# Altium PCB 2-quilter-output.pcbdoc (part 12 of 17)
Units mil, origin at the board's own origin, x right, y up, seen from the top; angles counter-clockwise.
Board outline 2728 x 2217 mil, 8 copper layers (L1_TOP, L2_GND, L3_INNER1, L4_GND, L5_PWR, L6_PWR, L7_GND, L8_BOT), stack 48.64 mil thick; 230 components, 327 nets, 1592 pads, 995 vias.
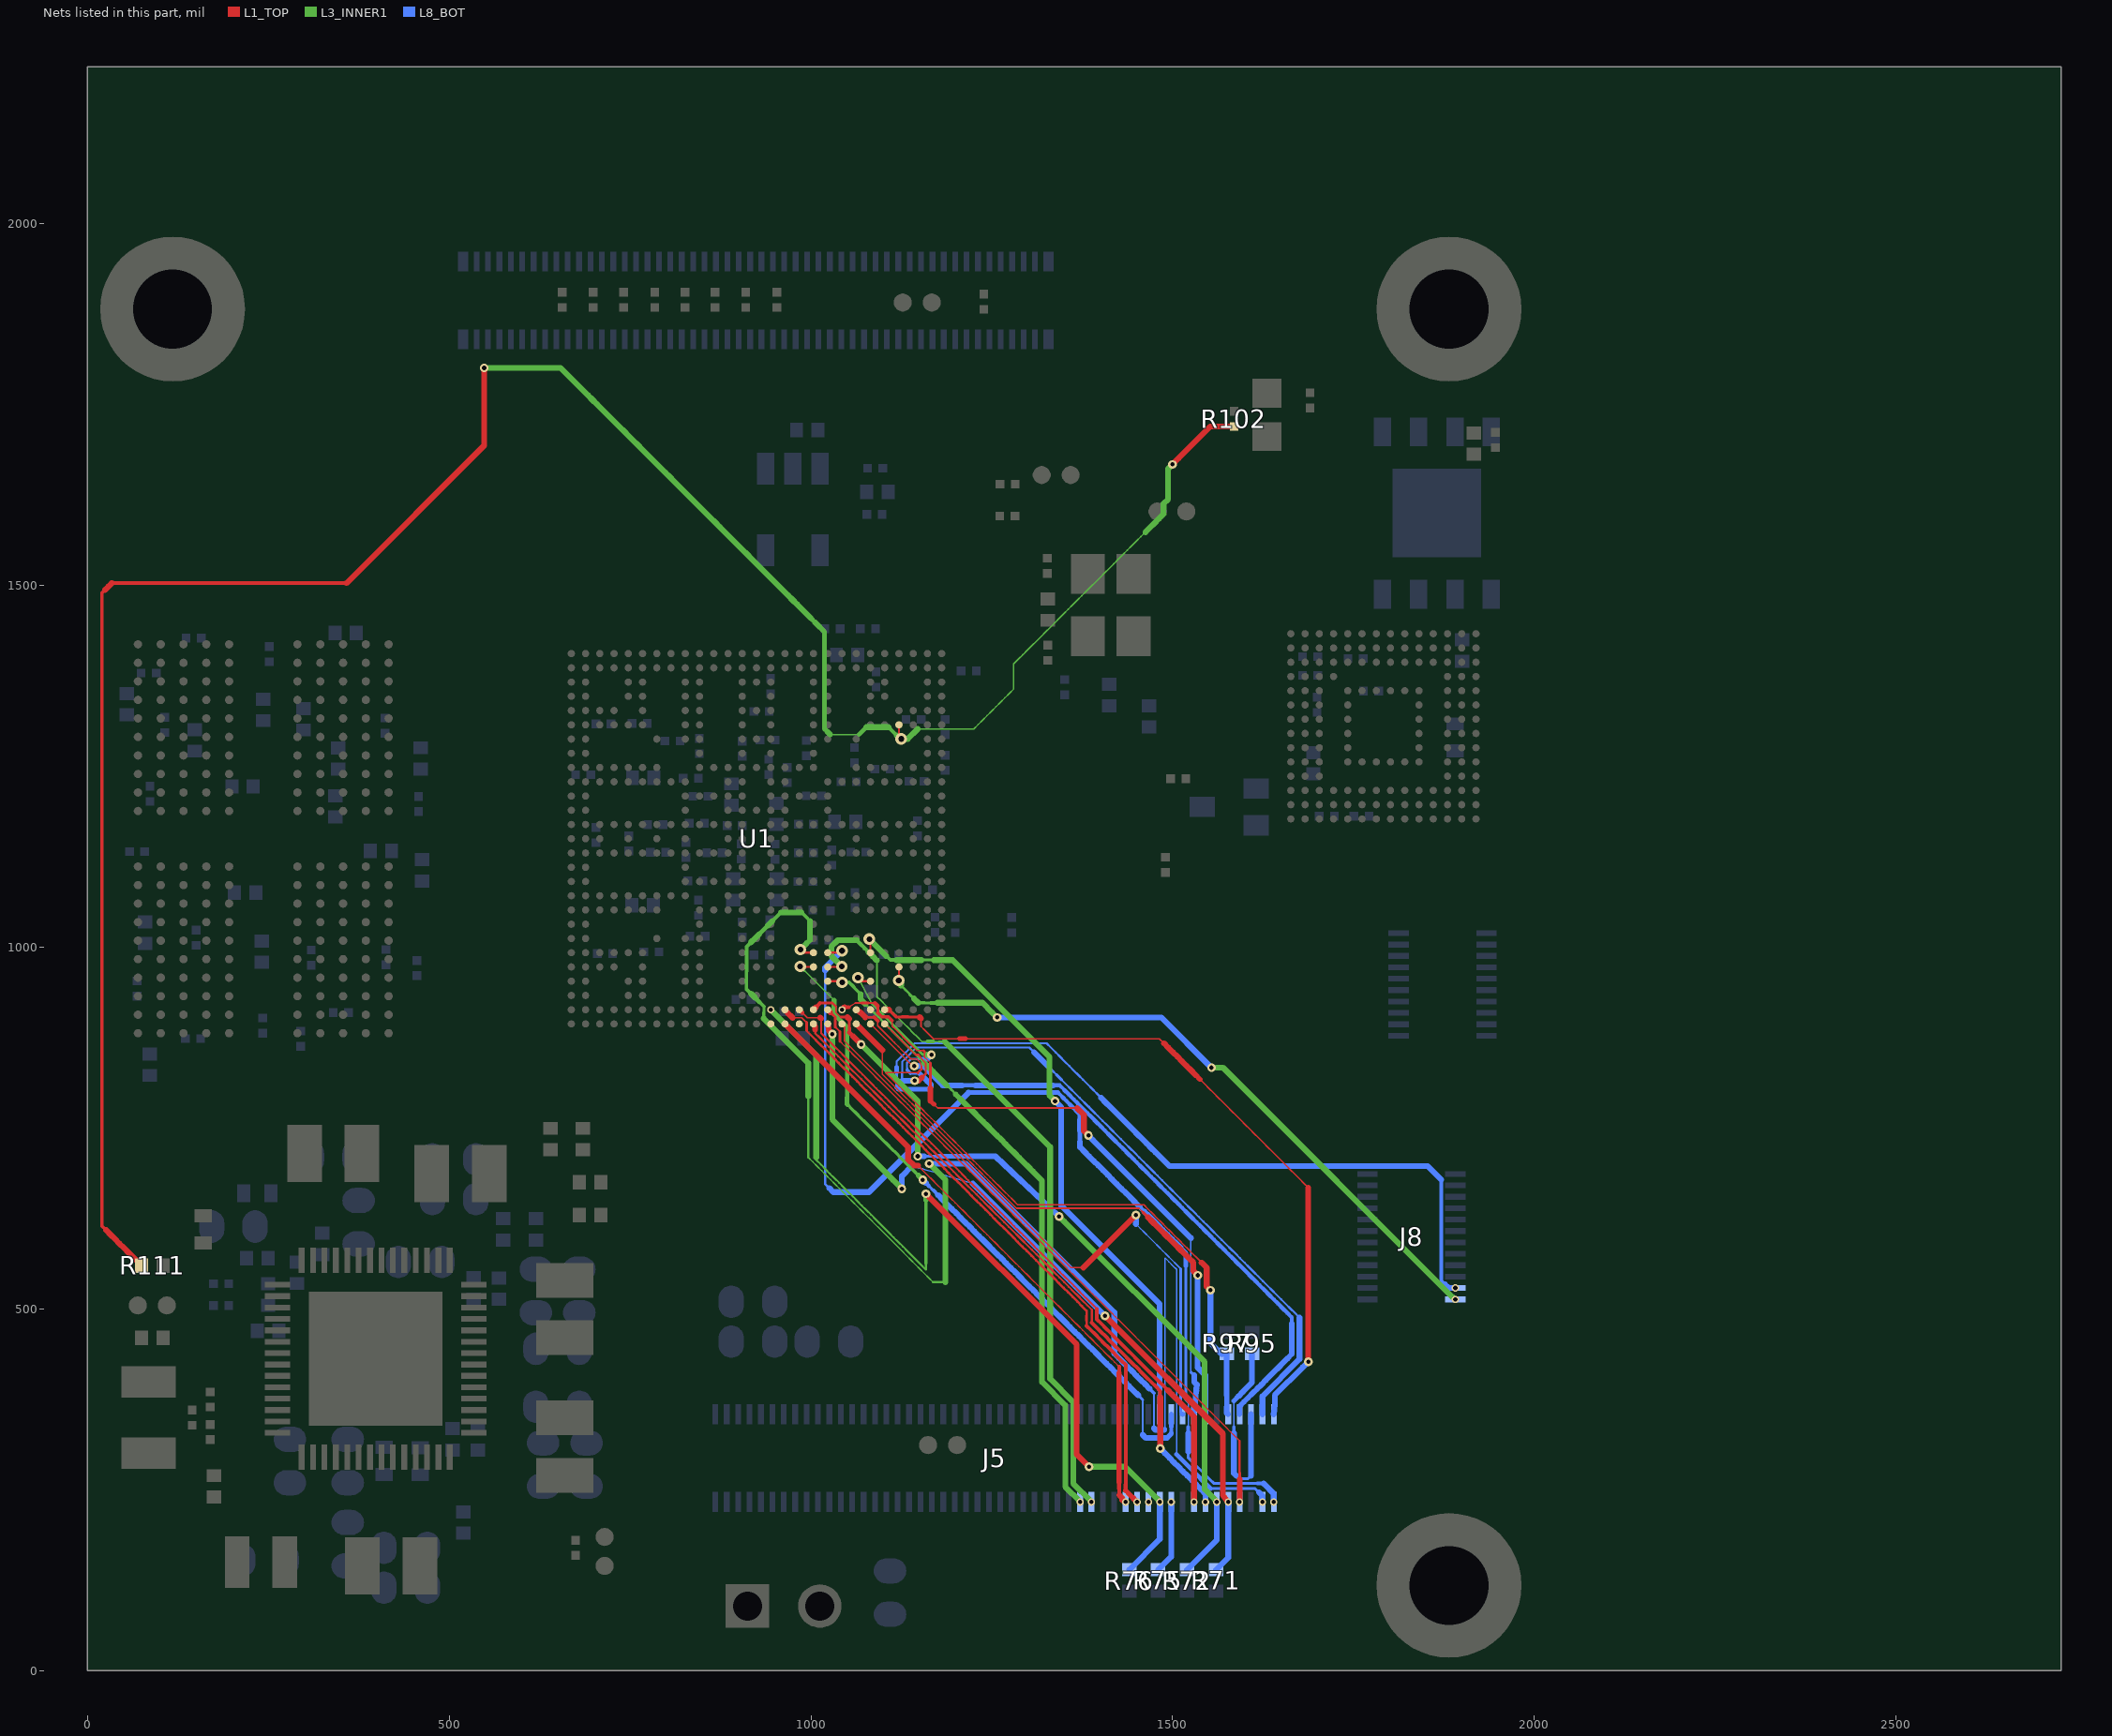
[diagram p18: the nets of this part, all layers, seen from the top]

## Via types
v1: diameter 12.01, hole 5.91, L1_TOP to L8_BOT, tented both sides, 409 vias
v2: diameter 16, hole 8, L1_TOP to L8_BOT, tented both sides, 329 vias
v3: diameter 10, hole 6, L1_TOP to L8_BOT, tented both sides, 205 vias
v4: diameter 16, hole 8, L1_TOP to L8_BOT, tented top, 52 vias

## Nets (pads, with @x,y where several pads share a name; then routed paths per layer and width w, separated by ;. In a path a pad name is that pad's centre, name@x,y a point inside that pad or via, vN(x,y) a via of type N, cw(c..) or ccw(c..) an arc to the next point about the centre after c; other vN are vias at no path point) (continued)
RTC_RESET_B: R102.2 R111.2 U1.F24 | length 3260.6
  L1_TOP w3: U1.F24@1121.74,1307.38 1121.74,1291 v2(1124.88,1287.85)
  L1_TOP w4.54: 24.7,1493.91 20.11,1489.31 20.11,1480.3 20.11,1471.29 20.11,1462.28 20.11,1453.26 20.11,1444.25 20.11,1435.24 20.11,1426.23 20.11,1417.22 20.11,1408.2 20.11,1399.19 20.11,1390.18 20.11,1381.17 20.11,1372.16 20.11,1363.14 20.11,1354.13 20.11,1345.12 20.11,1336.11 20.11,1327.09 20.11,1318.08 20.11,1309.07 20.11,1300.06 20.11,1291.05 20.11,1282.03 20.11,1273.02 20.11,1264.01 20.11,1255 20.11,1245.99 20.11,1236.97 20.11,1227.96 20.11,1218.95 20.11,1209.94 20.11,1200.92 20.11,1191.91 20.11,1182.9 20.11,1173.89 20.11,1164.88 20.11,1155.86 20.11,1146.85 20.11,1137.84 20.11,1128.83 20.11,1119.82 20.11,1110.8 20.11,1101.79 20.11,1092.78 20.11,1083.77 20.11,1074.76 20.11,1065.74 20.11,1056.73 20.11,1047.72 20.11,1038.71 20.11,1029.69 20.11,1020.68 20.11,1011.67 20.11,1002.66 20.11,993.65 20.11,984.63 20.11,975.62 20.11,966.61 20.11,957.6 20.11,948.59 20.11,939.57 20.11,930.56 20.11,921.55 20.11,912.54 20.11,903.52 20.11,894.51 20.11,885.5 20.11,876.49 20.11,867.48 20.11,858.46 20.11,849.45 20.11,840.44 20.11,831.43 20.11,822.42 20.11,813.4 20.11,804.39 20.11,795.38 20.11,786.37 20.11,777.35 20.11,768.34 20.11,759.33 20.11,750.32 20.11,741.31 20.11,732.29 20.11,723.28 20.11,714.27 20.11,705.26 20.11,696.25 20.11,687.23 20.11,678.22 20.11,669.21 20.11,660.2 20.11,651.19 20.11,642.17 20.11,633.16 20.11,624.15 20.11,615.14 26.23,609.01
  L1_TOP w5.13: 33.9,1503.1 42.91,1503.1 51.92,1503.1 60.93,1503.1 69.94,1503.1 78.95,1503.1 87.95,1503.1 96.96,1503.1 105.97,1503.1 114.98,1503.1 123.99,1503.1 133,1503.1 142.01,1503.1 151.02,1503.1 160.03,1503.1 169.04,1503.1 178.05,1503.1 187.06,1503.1 196.07,1503.1 205.07,1503.1 214.08,1503.1 223.09,1503.1 232.1,1503.1 241.11,1503.1 250.12,1503.1 259.13,1503.1 268.14,1503.1 277.15,1503.1 286.16,1503.1 295.17,1503.1 304.18,1503.1 313.18,1503.1 322.19,1503.1 331.2,1503.1 340.21,1503.1 349.22,1503.1 358.23,1503.1
  L1_TOP w8.05: 24.7,1493.91 29.3,1498.5 33.89,1503.1 ; 26.23,609.01 32.36,602.89 38.48,596.76 44.61,590.63 50.73,584.51 56.86,578.38 62.98,572.26 69.11,566.13 R111.2@75.24,560 ; 358.23,1503.1 548.57,1693.44 548.57,1789.75 v1(548.57,1800.54) ; v1(1499.62,1667.23) 1508.37,1675.98 1552.16,1719.76 R102.2@1584.74,1719.76
  L3_INNER1 w2: 1026.71,1293.9 1034.66,1293.9 1042.61,1293.9 1050.55,1293.9 1058.5,1293.9 1066.45,1293.9 ; 1147.66,1301.55 1156.61,1301.55 1165.15,1301.55 1173.69,1301.55 1182.24,1301.55 1190.78,1301.55 1199.32,1301.55 1207.87,1301.55 1216.41,1301.55 1224.95,1301.55 1231.1,1307.7 1237.25,1313.85 1243.4,1320 1249.55,1326.15 1255.7,1332.3 1261.85,1338.45 1268,1344.6 1274.15,1350.75 1280.3,1356.9 1280.3,1365.58 1280.3,1374.26 1280.3,1382.94 1280.3,1391.63
  L3_INNER1 w2.2: 1280.3,1391.63 1286.58,1397.9 1292.86,1404.18 1299.13,1410.45 1305.41,1416.73 1311.69,1423.01 1317.96,1429.28 1324.24,1435.56 1330.52,1441.84 1336.79,1448.11 1343.07,1454.39 1349.34,1460.67 1355.62,1466.94 1361.9,1473.22 1368.17,1479.5 1374.45,1485.77 1380.73,1492.05 1387,1498.33 1393.28,1504.6 1399.56,1510.88 1405.83,1517.15 1412.11,1523.43 1418.39,1529.71 1424.66,1535.98 1430.94,1542.26 1437.22,1548.54 1443.49,1554.81 1449.77,1561.09 1456.04,1567.37 1462.32,1573.64
  L3_INNER1 w5.13: 1107.26,1304.16 1112.89,1298.53 1118.52,1292.89
  L3_INNER1 w6.29: 1018.76,1435.98 1018.76,1427.1 1018.76,1418.22 1018.76,1409.34 1018.76,1400.46 1018.76,1391.58 1018.76,1382.7 1018.76,1373.82 1018.76,1364.94 1018.76,1356.06 1018.76,1347.18 1018.76,1338.3 1018.76,1329.42 1018.76,1320.54 1018.76,1311.66 1018.76,1302.78 1018.76,1301.84 1022.73,1297.87 ; 1066.45,1293.9 1071.58,1299.03 1076.71,1304.16
  L3_INNER1 w6.88: 999.9,1454.84 1006.19,1448.55 ; 1012.47,1442.26 1018.76,1435.98
  L3_INNER1 w8.05: v1(548.57,1800.54) 557.36,1800.54 654.19,1800.54 660.48,1794.26 666.76,1787.97 673.05,1781.69 679.34,1775.4 685.62,1769.12 691.91,1762.83 698.19,1756.54 704.48,1750.26 710.76,1743.97 717.05,1737.69 723.33,1731.4 729.62,1725.12 735.91,1718.83 742.19,1712.55 748.48,1706.26 754.76,1699.97 761.05,1693.69 767.33,1687.4 773.62,1681.12 779.91,1674.83 786.19,1668.55 792.48,1662.26 798.76,1655.97 805.05,1649.69 811.33,1643.4 817.62,1637.12 823.9,1630.83 830.19,1624.55 836.48,1618.26 842.76,1611.98 849.05,1605.69 855.33,1599.4 861.62,1593.12 867.9,1586.83 874.19,1580.55 880.47,1574.26 886.76,1567.98 893.05,1561.69 899.33,1555.41 905.62,1549.12 911.9,1542.83 918.19,1536.55 924.47,1530.26 930.76,1523.98 937.05,1517.69 943.33,1511.41 949.62,1505.12 955.9,1498.83 962.19,1492.55 968.47,1486.26 974.76,1479.98 981.04,1473.69 987.33,1467.41 993.62,1461.12 999.9,1454.84 ; 1006.19,1448.55 1012.47,1442.26 ; 1022.73,1297.87 1026.71,1293.9 ; 1076.71,1304.16 1107.26,1304.16 ; 1118.52,1292.89 1124.86,1287.85 1133.96,1287.85 1147.65,1301.55 ; 1462.32,1573.64 1468.6,1579.92 1474.87,1586.2 1481.15,1592.47 1487.43,1598.75 1487.43,1612.83 1493.71,1619.1 1493.71,1661.32 v1(1499.62,1667.23)
SAI1_MCLK: J5.98 U1.AB18 | length 2143.2
  L1_TOP w3: v2(985.65,996.85) 990.08,992.42 U1.AB18@1003.63,992.42
  L3_INNER1 w2: 996.45,709.59 1002.61,703.43 1008.78,697.26 1014.94,691.1 1021.1,684.94 1027.27,678.77 1033.43,672.61 1039.59,666.45 1045.76,660.29 1051.92,654.12 1058.08,647.96 1064.25,641.8 1070.41,635.63 1076.57,629.47 1082.73,623.31 1088.9,617.14 1095.06,610.98 1101.22,604.82 1107.39,598.65 1113.55,592.49 1119.71,586.33 1125.88,580.16 1132.04,574 1138.2,567.84 1144.37,561.67 1150.53,555.51 1156.69,549.35 1162.86,543.18 1169.02,537.02
  L3_INNER1 w3.37: 996.45,709.59 996.45,718.03 996.45,726.48 996.45,734.92 996.45,743.36 996.45,751.8 996.45,760.24 996.45,768.68 996.45,777.13 996.45,785.57 996.45,794.01 ; 1169.02,537.02 1177.5,537.02 1185.98,537.02
  L3_INNER1 w3.96: 935.01,909.78 935.01,918.12
  L3_INNER1 w4.54: 911.14,941.99 911.14,950.36 911.14,958.72 911.14,967.09 ; 935.01,901.44 935.01,909.78 ; 987.21,1047.98 992.9,1042.28 998.59,1036.59
  L3_INNER1 w5.13: 911.14,941.99 917.11,936.02 ; 911.14,967.09 911.14,975.46 911.14,983.82 911.14,992.19 911.14,1000.55 917.07,1006.48 ; 929.04,924.09 935.01,918.12 ; 946.71,1036.12 952.63,1042.05 958.56,1047.98
  L3_INNER1 w6.29: 923.08,930.05 929.04,924.09 ; 928.92,1018.34 934.85,1024.26 940.78,1030.19
  L3_INNER1 w7.46: 994.28,1005.48 998.59,1009.8 998.59,1018.73 998.59,1027.66 998.59,1036.59
  L3_INNER1 w8.05: 917.07,1006.48 922.99,1012.41 928.92,1018.34 ; 917.11,936.02 923.08,930.05 ; 935.01,901.44 996.45,840.01 996.45,794.01 ; 940.78,1030.19 946.71,1036.12 ; 958.56,1047.98 987.21,1047.98 ; v2@985.65,996.86 989.96,1001.17 994.28,1005.48 ; v1(1163.7,700.87) 1185.98,678.59 1185.98,537.03
  L8_BOT w2: 1489.57,334.12 1489.57,340.92 1489.57,349.75 1489.57,358.59 1489.57,367.42 1489.57,376.25 1489.57,385.08 1489.57,393.92 1489.57,402.75 1489.57,411.58 1489.57,420.41 1489.57,429.24 1489.57,438.08 1489.57,446.91 1489.57,455.74 1489.57,464.57 1489.57,473.4 1489.57,482.24 1489.57,491.07 1489.57,499.9 1489.57,508.73 1489.57,517.56 1489.57,526.4 1489.57,535.23 1489.57,544.06 1489.57,552.89 1489.57,561.73 1489.57,570.56 ; 1489.58,570.56 1494.85,565.29 1500.12,560.02 1505.39,554.75 1505.39,545.93 1505.39,537.12 1505.39,528.3 1505.39,519.48 1505.39,510.67 1505.39,501.85 1505.39,493.04 1505.39,484.22 1505.39,475.4 1505.39,466.59 1505.39,457.77 1505.39,448.95 1505.39,440.14 1505.39,431.32 1505.39,422.5 1505.39,413.69 1505.39,404.87 1505.39,396.05 1505.39,387.24 1505.39,378.42 1505.39,369.6 1505.39,360.79 1505.39,351.97 1505.39,343.15 1505.39,334.34 1505.39,325.52 1505.39,316.7 1505.39,307.89 1505.39,299.07
  L8_BOT w2.2: 1474.11,335.05 1474.11,339.7 1474.11,348.52 1474.11,357.33 1474.11,366.14 1474.11,374.96
  L8_BOT w2.79: 1474.11,374.96 1474.11,383.77
  L8_BOT w3.96: 1552.66,251.8 1561.43,251.8 1570.21,251.8 1578.98,251.8 1587.75,251.8 1596.53,251.8 1605.3,251.8 1614.08,251.8 1619.02,246.86
  L8_BOT w4.54: 1468.05,389.83 1474.11,383.77
  L8_BOT w5.13: 1488.29,332.85 1489.57,334.12
  L8_BOT w6.29: 1505.39,299.07 1511.3,293.16 1517.21,287.25 1523.12,281.34 1529.02,275.44 1534.93,269.53 1540.84,263.62 1546.75,257.71 1552.66,251.8
  L8_BOT w8.05: v1(1163.7,700.87) 1175.1,700.87 1213.92,700.87 1419.38,495.42 1419.38,438.5 1425.64,432.24 1431.7,426.18 1437.76,420.12 1443.81,414.07 1449.87,408.01 1455.93,401.95 1461.99,395.89 1468.05,389.83 ; 1474.11,335.05 1476.31,332.85 1488.29,332.85 ; 1619.02,246.86 1623.96,241.91 v3(1623.97,233.27)
SAI1_RXC: J5.76 U1.AF16 | length 889.3
  L1_TOP w2.2: 974.75,902.66 981.14,902.66 987.53,902.66 990.8,899.39 994.07,896.12
  L1_TOP w2.79: 994.07,884.56 1000.41,878.22 1006.75,871.87 ; 1165.32,713.3 1171.67,706.96 1178.01,700.62
  L1_TOP w3.37: 1006.75,871.87 1013.1,865.53 1019.44,859.19 1025.78,852.85 1032.13,846.5 1038.47,840.16 1044.81,833.82 1051.15,827.47 1057.5,821.13 1063.84,814.79 1070.18,808.45 1076.53,802.1 1082.87,795.76 1089.21,789.42 1095.55,783.07 1101.9,776.73 1108.24,770.39 1114.58,764.05 1120.92,757.7 1127.27,751.36 1133.61,745.02 1139.95,738.67 1146.3,732.33 1152.64,725.99 1158.98,719.65 1165.32,713.3 ; 1178.01,700.62 1184.35,694.27 1190.7,687.93 1197.04,681.59 1203.38,675.25 1209.72,668.9 1216.07,662.56 1222.41,656.22 1228.75,649.88 1235.1,643.53 1241.44,637.19 1247.78,630.85 1254.12,624.5 1260.47,618.16 1266.81,611.82 1273.15,605.48 1279.49,599.13 1285.84,592.79 1292.18,586.45 1298.52,580.1 1304.87,573.76 1311.21,567.42 1317.55,561.08 1323.89,554.73 1330.24,548.39 1336.58,542.05 1342.92,535.7 1349.27,529.36 1355.61,523.02 1361.95,516.68 1368.29,510.33 1374.64,503.99 1380.98,497.65 1380.98,490.73 ; 1380.98,476.9 1380.98,483.82
  L1_TOP w3.96: 994.07,884.56 994.07,890.34 994.07,896.12 ; 1380.98,483.82 1380.98,490.73
  L1_TOP w5.13: 1380.98,476.9 1386.98,470.9 1392.99,464.89 1398.99,458.89 1405,452.88 1411,446.88 1417,440.88 1423.01,434.87 1429.01,428.87 1435.02,422.86 1435.02,414.17 1435.02,405.48 1435.02,396.79 1435.02,388.09 1435.02,379.4 1435.02,370.71 1435.02,362.02 1435.02,353.32 1435.02,344.63 1435.02,335.94 1435.02,327.25 1435.02,318.55 1435.02,309.86 1435.02,301.17 1435.02,292.48 1435.02,283.78 1435.02,275.09 1435.02,266.4 1435.02,257.7
  L1_TOP w5.71: 1435.02,249.01 1435.02,257.7
  L1_TOP w6.88: 1435.02,249.01 1440.26,243.77 1445.5,238.53
  L1_TOP w8.05: U1.AF16@964.26,913.68 967.54,909.86 974.75,902.66 ; 1445.5,238.52 v3(1450.74,233.27)
SAI1_RXD0: J5.78 U1.AG15
  other v3: 1466.49,233.27
SAI1_RXD1: J5.80 R76.1 U1.AF15 | length 1252.3
  L1_TOP w8.05: v1(1158.98,659.24) 1367.33,450.89 1367.33,299.14 v1@1384.51,281.95
  L3_INNER1 w2.79: 1007.52,709.62 1007.52,705.91 1013.82,699.62 1020.11,693.32 1026.4,687.03 1032.7,680.74 1038.99,674.44 1045.28,668.15 1051.58,661.86 1057.87,655.56 1064.16,649.27 1070.46,642.98 1076.75,636.68 1083.04,630.39 1089.34,624.1 1095.63,617.8 1101.92,611.51 1108.22,605.22 1114.51,598.92 1120.8,592.63 1127.1,586.34 1133.39,580.04 1139.68,573.75 1145.98,567.46 1152.27,561.16 1158.56,554.87 1158.97,554.87
  L3_INNER1 w3.37: 1158.98,554.88 1158.98,563.57
  L3_INNER1 w5.13: 1158.98,563.57 1158.98,572.27 1158.98,580.97 1158.98,589.66 1158.98,598.36 1158.98,607.06 1158.98,615.76 1158.98,624.45 1158.98,633.15 1158.98,641.85 1158.98,650.54
  L3_INNER1 w7.46: 1158.98,650.54 v1(1158.98,659.24)
  L3_INNER1 w8.05: v3(944.57,913.68) 948.13,910.14 1007.52,850.75 1007.52,709.63 ; v1(1384.52,281.94) 1392.86,281.94 1434.56,281.94 1479.19,237.3 v3(1482.24,233.27)
  L8_BOT w8.05: R76.1@1439.89,139.66 1482.22,182.03 1482.22,219.25 v3(1482.24,233.27)
SAI1_RXD2: J5.82 R75.1 U1.AG17 | length 101.1
  L8_BOT w8.05: R75.1@1479.89,139.66 1497.97,157.76 1497.97,219.25 v3(1497.98,233.27)
SAI1_RXD3: J5.86 U1.AF17 | length 917
  L1_TOP w2.2: 987.5,910.14 991.24,906.4 994.98,902.66 1001.02,902.66 1007.06,902.66 1013.09,902.66
  L1_TOP w2.79: 1014.34,901.41 1014.34,894.65 1014.34,887.89 1014.34,881.14 1020.69,874.79 1027.03,868.44 1033.38,862.09 1039.73,855.74 1046.08,849.39 1052.43,843.05 1058.77,836.7 1065.12,830.35 1071.47,824 1077.82,817.65 1084.17,811.31 1090.52,804.96 1096.86,798.61 1103.21,792.26 1109.56,785.91 1115.91,779.57 1122.26,773.22 1128.6,766.87 1134.95,760.52 1141.3,754.17 1147.65,747.82 1154,741.48 1160.35,735.13 1166.69,728.78 1173.04,722.43 1179.39,716.08 1185.74,709.74 1192.09,703.39 1198.43,697.04 1204.78,690.69 1211.13,684.34 1217.48,677.99 1223.83,671.65 1230.18,665.3 1236.52,658.95 1242.87,652.6 1249.22,646.25 1255.57,639.91 1261.92,633.56 1268.26,627.21 1274.61,620.86 1280.96,614.51 1287.31,608.16 1293.66,601.82 1300.01,595.47 1306.35,589.12 1312.7,582.77 1319.05,576.42 1325.4,570.08 1331.75,563.73 1338.09,557.38 1344.44,551.03 1350.79,544.68 1357.14,538.33 1363.49,531.99 1369.84,525.64 1376.18,519.29 1382.53,512.94 1388.88,506.59 1395.23,500.25
  L1_TOP w5.13: 1395.23,500.25 1395.23,492.97 1395.23,485.7 1401.33,479.6 1407.43,473.49 1413.54,467.39 1419.64,461.29 1425.74,455.19 1431.84,449.08 1437.95,442.98 1444.05,436.88 1450.15,430.78 1456.26,424.67 1462.36,418.57 1468.46,412.47 1474.56,406.36 1480.67,400.26 1486.77,394.16 1492.87,388.06
  L1_TOP w6.29: U1.AF17@983.95,913.68 987.5,910.14
  L1_TOP w8.05: 1013.09,902.66 1014.34,901.41 ; 1492.87,388.06 1498.97,381.95 1505.08,375.85 1511.18,369.75 1517.28,363.65 1523.39,357.54 1529.49,351.44 1529.49,238.31 v3(1529.48,233.27)
SAI1_RXD4: J5.88 U1.AG18 | length 884.8
  L1_TOP w2.79: 1005.9,881.35 1012.27,874.98 1018.65,868.61 1025.02,862.24 1031.39,855.87 1037.76,849.49 1044.14,843.12 1050.51,836.75 1056.88,830.38 1063.25,824 1069.63,817.63 1076,811.26 1082.37,804.89 1088.74,798.51 1095.12,792.14 1101.49,785.77 1107.86,779.4 1114.23,773.02 1120.61,766.65 1126.98,760.28 1133.35,753.91 1139.72,747.53 1146.09,741.16 1152.47,734.79 1158.84,728.42 1165.21,722.04 1171.58,715.67 1177.96,709.3 1184.33,702.93 1190.7,696.55 1197.07,690.18 1203.45,683.81 1209.82,677.44 1216.19,671.06 1222.56,664.69 1228.94,658.32 1235.31,651.95 1241.68,645.57 1248.05,639.2 1254.43,632.83 1260.8,626.46 1267.17,620.08 1273.54,613.71 1279.92,607.34 1286.29,600.97 1292.66,594.59 1299.03,588.22 1305.41,581.85 1311.78,575.48 1318.15,569.1 1324.52,562.73 1330.9,556.36 1337.27,549.99 1343.64,543.61 1350.01,537.24 1356.39,530.87 1362.76,524.5 1369.13,518.12 1375.5,511.75 1381.88,505.38 1388.25,499.01 1388.25,490.08 1388.25,481.16
  L1_TOP w3.37: 1005.9,881.35 1005.9,885.94
  L1_TOP w5.13: 1388.25,481.16 1394.55,474.86 1400.85,468.56 1407.15,462.26 1413.44,455.96 1419.74,449.66 1426.04,443.36 1432.34,437.06 1438.64,430.76 1444.94,424.47 1451.24,418.17 1457.54,411.87 1463.84,405.57 1470.14,399.27 1476.43,392.97 1482.73,386.67 1482.73,378.07
  L1_TOP w8.05: U1.AG18@1003.63,893.99 1005.9,890.53 1005.9,885.94 ; v1(1482.73,307.25) 1482.73,317.89 1482.73,326.49 1482.73,335.08 1482.73,343.68 1482.73,352.28 1482.73,360.88 1482.73,369.48 1482.73,378.07
  L8_BOT w7.46: 1532.81,257.17 1539.01,250.97
  L8_BOT w8.05: v1(1482.73,307.25) 1489.4,300.59 1495.6,294.39 1501.8,288.18 1508,281.98 1514.21,275.78 1520.41,269.58 1526.61,263.38 1532.81,257.17 ; 1539.01,250.97 1545.22,244.77 v3(1545.23,233.27)
SAI1_RXD5: J5.90 R72.1 U1.AF18 | length 1119.7
  L1_TOP w2: 1034.46,918.13 1034.46,910.35 1037.94,906.87 1041.28,903.53
  L1_TOP w3.37: 1012.88,922.92 1021.45,922.92 1029.67,922.92 1034.46,918.13
  L1_TOP w3.96: 1041.28,903.53 1045.87,903.53 1050.46,903.53 ; 1053.16,888.32 1053.16,894.58 1053.16,900.83
  L1_TOP w4.54: 1053.16,882.07 1053.16,888.32
  L1_TOP w5.71: 1007.18,917.22 1012.88,922.92
  L1_TOP w6.29: 1053.16,882.07 1058.59,876.65
  L1_TOP w8.05: U1.AF18@1003.63,913.68 1007.18,917.22 ; 1050.46,903.53 1053.16,900.83 ; 1058.59,876.65 1064.01,871.22 v1(1069.44,865.79)
  L3_INNER1 w8.05: v1(1069.44,865.79) 1147.68,787.55 v1(1147.68,711.14) ; v1(1343.08,628.08) 1350.26,620.89 1544.18,426.98 1544.18,251.05 1557.92,237.31 ; 1557.93,237.3 v3(1560.98,233.27)
  L8_BOT w3.37: 1156.62,711.14 1165.55,711.14 1174.49,711.14
  L8_BOT w6.29: 1174.49,711.14 1183.43,711.14 1192.36,711.14 1201.3,711.14 1210.23,711.14 1219.17,711.14
  L8_BOT w7.46: v1(1147.68,711.14) 1156.62,711.14
  L8_BOT w8.05: 1219.17,711.14 1228.1,711.14 1237.04,711.14 1245.97,711.14 1254.91,711.14 v1(1343.08,628.08) ; R72.1@1519.89,139.66 1560.96,180.75 1560.96,219.25 v3(1560.98,233.27)
SAI1_RXD6: J5.92 R71.1 U1.AG19 | length 1080.8
  L1_TOP w8.05: U1.AG19@1023.31,893.99 1025.35,884.19 v1(1029.66,879.87) ; v1(1406.33,490.68) 1413.31,483.71 1569.31,327.7 1569.31,243.12 v3(1576.72,233.27)
  L3_INNER1 w8.05: v1(1029.66,879.87) 1029.66,762.19 1113.68,678.17 v1@1125.68,666.15
  L8_BOT w2: 1154.79,693.61 1161.86,691.53 1169.6,689.25 1177.33,686.96 1185.07,684.68 1192.8,682.4 1200.54,680.12 1208.27,677.84 1216.01,675.55 1223.74,673.27
  L8_BOT w2.2: 1147.72,695.7 1154.79,693.61
  L8_BOT w2.79: 1140.65,697.79 1147.72,695.7
  L8_BOT w7.46: 1125.68,674.93 1125.68,683.71
  L8_BOT w8.05: v1(1125.68,666.15) 1125.68,674.93 ; 1125.68,683.71 1139.77,697.79 1140.65,697.79 ; 1223.74,673.27 v1(1406.33,490.68) ; R71.1@1559.89,139.66 1576.71,156.53 1576.71,219.25 v3(1576.72,233.27)
SAI1_RXD7: J5.94 U1.AF19 | length 916.2
  L1_TOP w2: 1040.37,869.87 1046.72,863.53 1053.07,857.18 1059.41,850.84 1065.76,844.49 1072.1,838.14 1078.45,831.8 1084.8,825.45 1091.14,819.11 1097.49,812.76 1103.83,806.41 1110.18,800.07 1116.53,793.72 1122.87,787.38 1129.22,781.03 1135.57,774.68 1141.91,768.34 1148.26,761.99 1154.6,755.65 1160.95,749.3 1167.3,742.95 1173.64,736.61 1179.99,730.26 1186.33,723.92 1192.68,717.57 1199.03,711.22 1205.37,704.88 1211.72,698.53 1218.06,692.19 1224.41,685.84 1230.76,679.49 1237.1,673.15 1243.45,666.8 1249.79,660.46 1256.14,654.11 1262.49,647.76 1268.83,641.42 1275.18,635.07 1281.52,628.72 1287.87,622.38 1294.22,616.03 1300.56,609.69 1306.91,603.34 1313.25,596.99 1319.6,590.65 1325.95,584.3 1332.29,577.96 1338.64,571.61 1344.98,565.26 1351.33,558.92 1357.68,552.57 1364.02,546.23 1370.37,539.88 1376.71,533.53 1383.06,527.19 1389.41,520.84 1395.75,514.5 1402.1,508.15 1408.44,501.8 1414.79,495.46 1421.14,489.11 1427.48,482.77 1433.83,476.42 1440.18,470.07 1446.52,463.73 1452.87,457.38 1459.21,451.04 1465.56,444.69 1471.91,438.34 1478.25,432 1484.6,425.65 1490.94,419.31 1497.29,412.96 1503.64,406.61 1509.98,400.27 1516.33,393.92 1522.67,387.58 1529.02,381.23 1535.37,374.88 1541.71,368.54 1548.06,362.19 1554.4,355.85 1560.75,349.5 1567.1,343.15 1573.44,336.81 1579.79,330.46 1586.13,324.11 1592.48,317.77